# KiCad board PANEL_DRY_ELEC_6CH_THIN.kicad_pcb (continued)
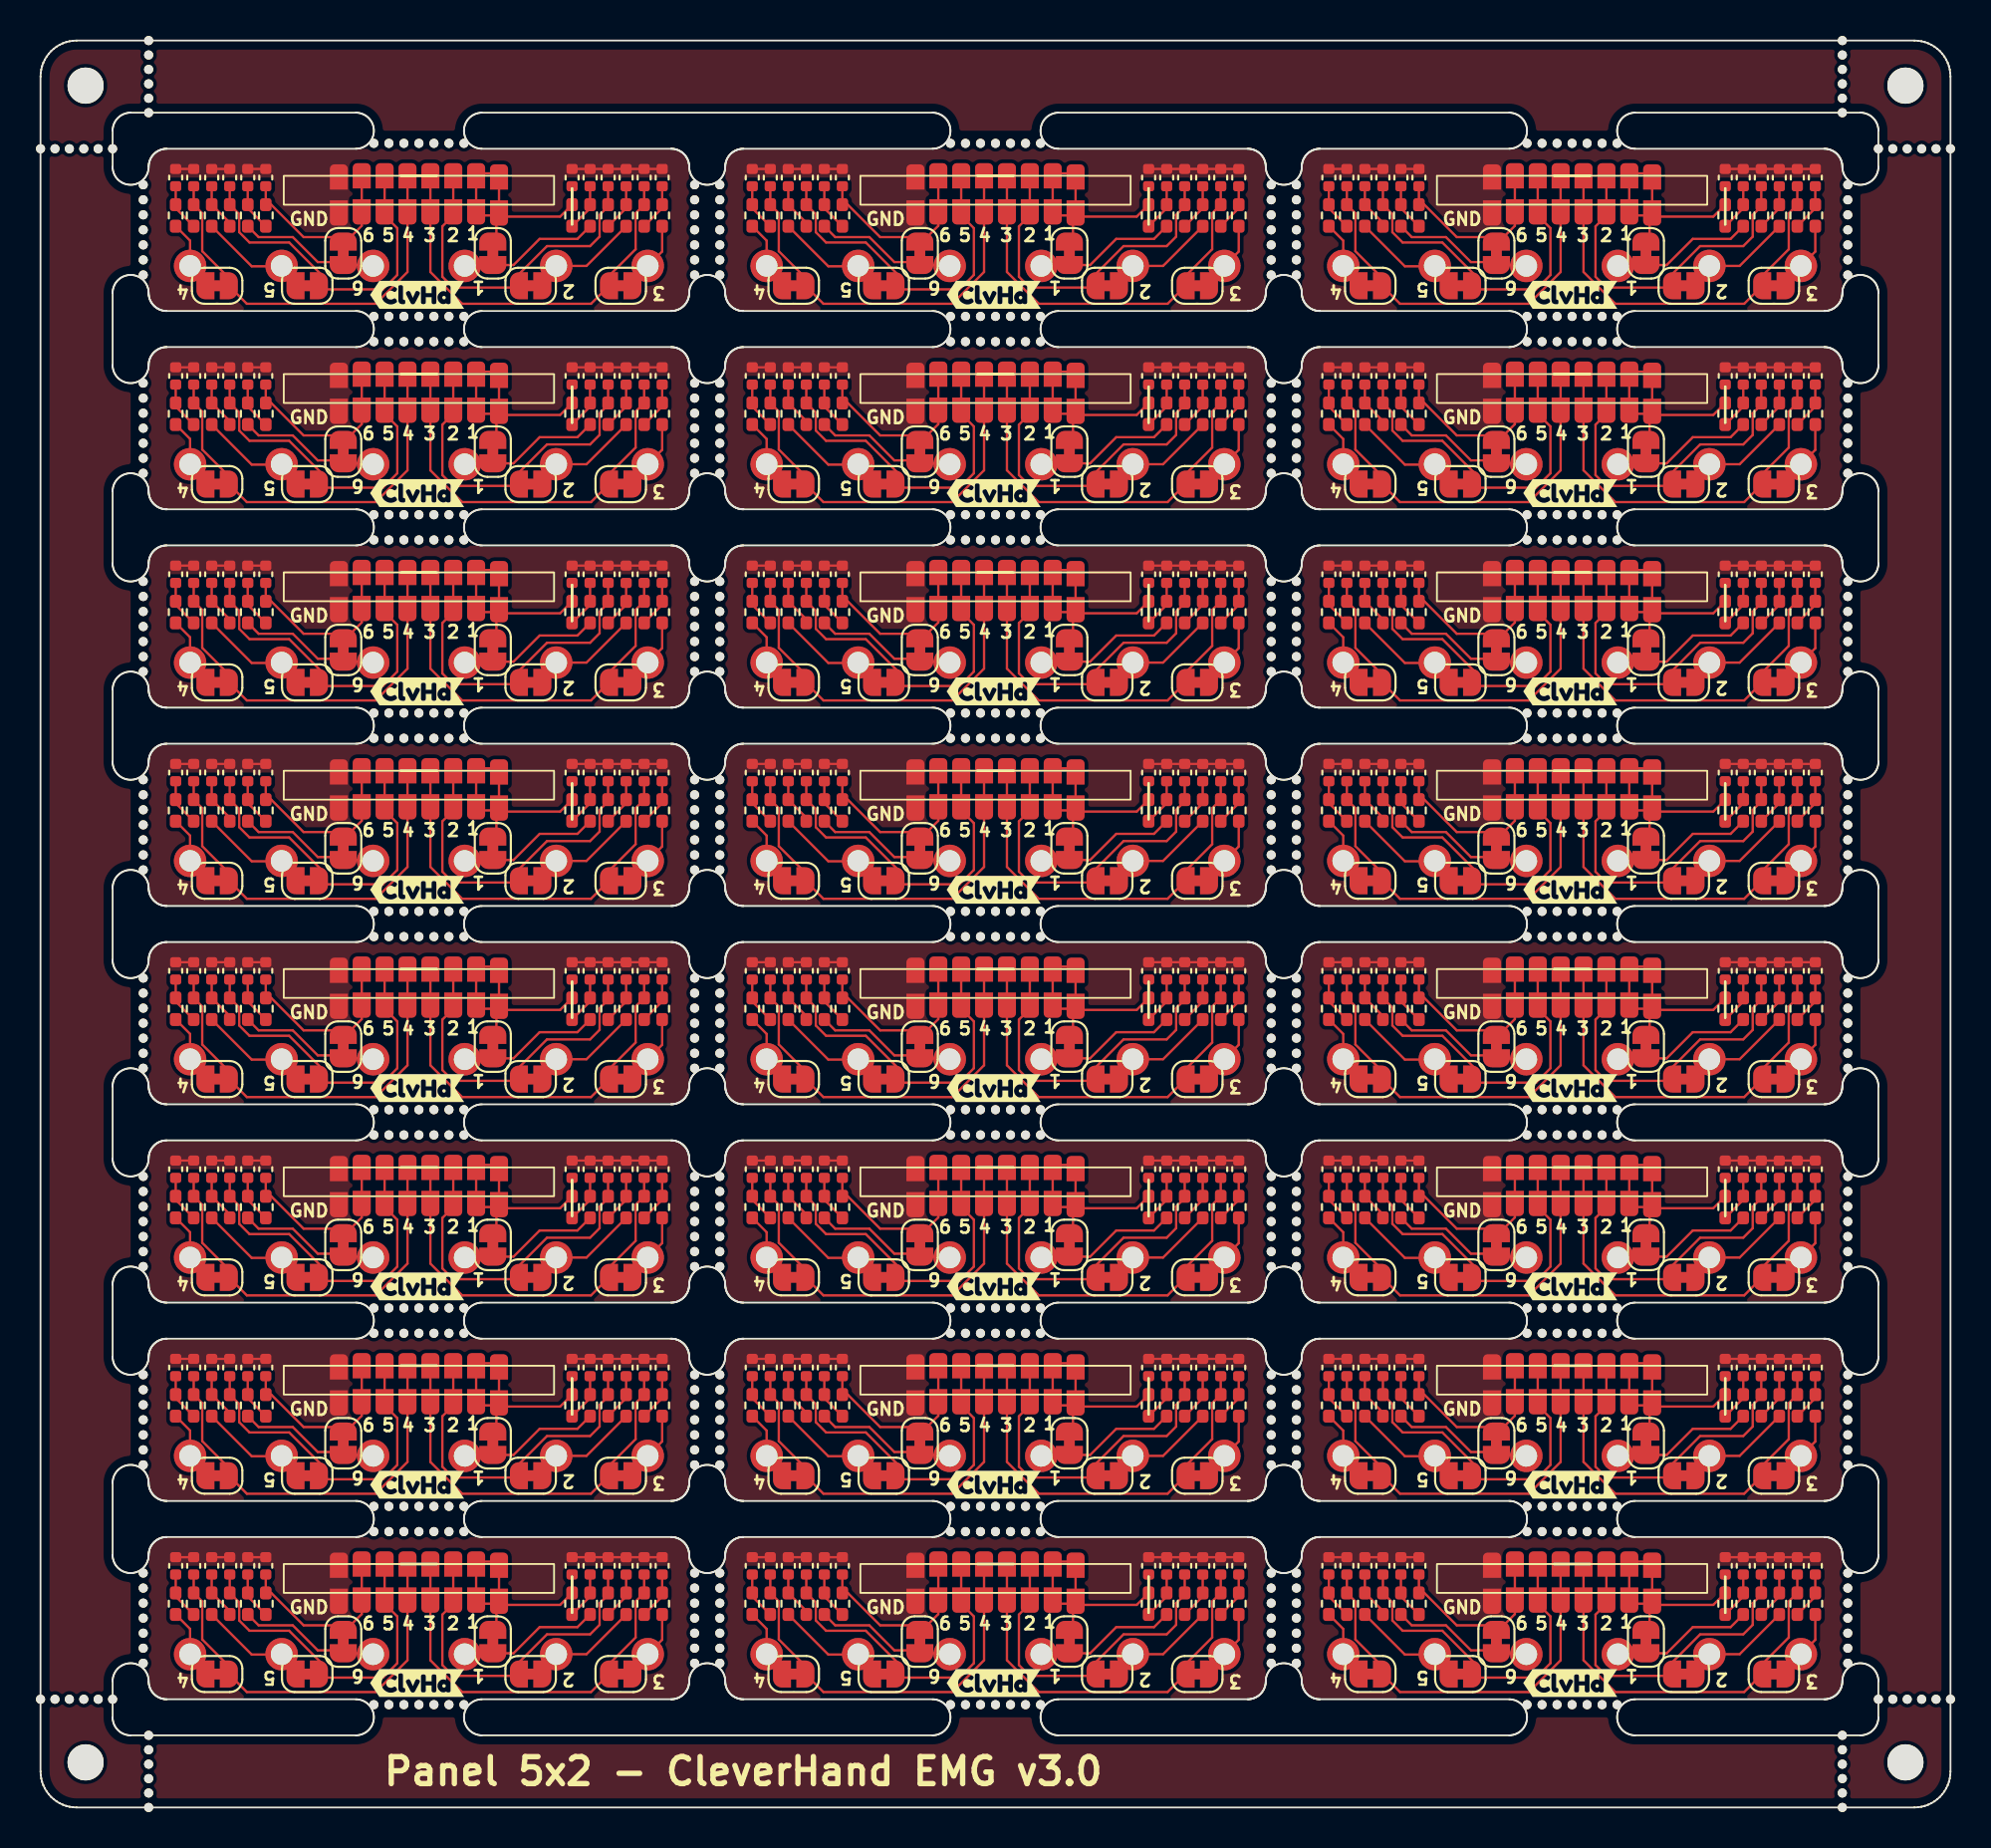
[diagram p0: board, top side]
## Routing (per net, layer and track width the routed paths; a pad name or vN(x,y) marks a point on that pad's centre or on a via; arc(x,y) is an arc through that point) (continued)
Board_0-/IN5: length 19.6
  Top w0.127: C10#10.1 R10#16.2 11.03,88.37 11.03,87.37 11.6,86.8 13.8,86.8 15.75,84.85 15.75,84.2 19,84.2 19.8,85 19.8,87.6 J11#4.1 J3#15.1
Board_0-/IN6: length 10.3
  Top w0.127: J2#3.1 J10#5.1 17.83,87.73 17.2,87.1 14.6,87.1 12.8,88.9 R12#4.2 C12#5.1
Board_0-GND: length 8
  Top w0.127: C2#7.2 C5#3.2 ; C9#23.2 C10#10.2 ; C11#9.2 C12#5.2 ; C7#3.2 C8#7.2
Board_0-Net-(C1-Pad1): length 2.6
  Top w0.127: R2#17.1 30.5,88.7 R1#12.2 C1#14.1
Board_0-Net-(C3-Pad1): length 2.6
  Top w0.127: R4.1 32.5,88.7 R3#18.2 C3#14.1
Board_0-Net-(C5-Pad1): length 2.6
  Top w0.127: R6.1 34.5,88.7 R5#4.2 C5#3.1
Board_0-Net-(C7-Pad1): length 2.6
  Top w0.127: C7#3.1 R7#22.2 7.5,88.7 R8#2.1
Board_0-Net-(C9-Pad1): length 2.6
  Top w0.127: R10#16.1 10.5,87.9 R9#24.2 C9#23.1
Board_0-Net-(C11-Pad1): length 2.6
  Top w0.127: R12#4.1 11.5,88.7 R11#15.2 C11#9.1
Board_1-/filtering_1/ELECTRODE: length 7.9
  Top w0.127: R1#22.1 61.8,87 59.7,87 58.25,85.55 55.59,85.55 J17#11.1
Board_1-/filtering_2/ELECTRODE: length 4.8
  Top w0.127: J18#10.1 62.3,85.5 R3#4.1
Board_1-/filtering_3/ELECTRODE: length 2.5
  Top w0.127: J19#14.1 66.5,86.3 R5#23.1
Board_1-/filtering_4/ELECTRODE: length 4.3
  Top w0.127: 41.65,84.4 41.4,84.4 J20#13.1 40.3,86.9 R7#2.1
Board_1-/filtering_5/ELECTRODE: length 6.4
  Top w0.127: 46.45,84.4 46.45,84.43 J21#19.1 45.38,85.48 43.72,85.48 41.5,87.7 R9#16.1
Board_1-/filtering_6/ELECTRODE: length 7.9
  Top w0.127: J22#3.1 50.41,85.55 48.7,85.55 48.54,85.71 47.39,85.71 46,87.1 44.1,87.1 R11#19.1
Board_1-/IN1: length 14.2
  Top w0.127: J16#23.1 J8.1 56.24,90.64 J7#17.1 J15#10.1 57.38,88.3 J16#23.1 ; J16#23.1 57.3,88.09 57.3,86.85 ; J16#23.1 60.84,88.23 R2#23.2 C2#21.1
Board_1-/IN2: length 19.6
  Top w0.127: C4#20.1 R4#8.2 63.5,88.8 63.03,88.33 63.03,87.13 62.5,86.6 60.11,86.6 58.55,85.04 JP2#18.2 58.45,84.3 54.9,84.3 54.3,84.9 54.3,87.69 J14#12.1 J6#9.1
Board_1-/IN3: length 22.9
  Top w0.127: C6#2.1 R6#2.2 65.03,88.42 65.03,86.43 63.55,84.95 JP3.2 62.55,83.4 55.4,83.4 53.64,85.16 J13#16.1 J5#16.1
Board_1-/IN4: length 22.9
  Top w0.127: J4#19.1 J12#5.1 52.37,85.17 50.6,83.4 43.45,83.4 JP4#22.2 42.45,84.84 40.97,86.32 40.97,88.42 R8#14.2 C8#8.1
Board_1-/IN5: length 19.6
  Top w0.127: C10#2.1 R10#18.2 43.03,88.37 43.03,87.37 43.6,86.8 45.8,86.8 47.75,84.85 47.75,84.2 51,84.2 51.8,85 51.8,87.6 J11#15.1 J3#22.1
Board_1-/IN6: length 10.3
  Top w0.127: C12#2.1 R12#8.2 44.8,88.9 46.6,87.1 49.2,87.1 49.83,87.73 J10#23.1 J2#13.1
Board_1-GND: length 8
  Top w0.127: C11#7.2 C12#2.2 ; C7#20.2 C8#8.2 ; C2#21.2 C5#19.2 ; C9#16.2 C10#2.2
Board_1-Net-(C1-Pad1): length 2.6
  Top w0.127: C1#7.1 R1#22.2 62.5,88.7 R2#23.1
Board_1-Net-(C3-Pad1): length 2.6
  Top w0.127: R4#8.1 64.5,88.7 R3#4.2 C3#7.1
Board_1-Net-(C5-Pad1): length 2.6
  Top w0.127: C5#19.1 R5#23.2 66.5,88.7 R6#2.1
Board_1-Net-(C7-Pad1): length 2.6
  Top w0.127: R8#14.1 39.5,88.7 R7#2.2 C7#20.1
Board_1-Net-(C9-Pad1): length 2.6
  Top w0.127: C9#16.1 R9#16.2 42.5,87.9 R10#18.1
Board_1-Net-(C11-Pad1): length 2.6
  Top w0.127: R12#8.1 43.5,88.7 R11#19.2 C11#7.1
Board_2-/filtering_1/ELECTRODE: length 7.9
  Top w0.127: J17#18.1 87.59,85.55 90.25,85.55 91.7,87 93.8,87 R1.1
Board_2-/filtering_2/ELECTRODE: length 4.8
  Top w0.127: J18#13.1 94.3,85.5 R3#21.1
Board_2-/filtering_3/ELECTRODE: length 2.5
  Top w0.127: R5#8.1 98.5,86.3 J19#18.1
Board_2-/filtering_4/ELECTRODE: length 4.3
  Top w0.127: 73.65,84.4 73.4,84.4 J20#11.1 72.3,86.9 R7#23.1
Board_2-/filtering_5/ELECTRODE: length 6.4
  Top w0.127: 78.45,84.4 78.45,84.43 J21#21.1 77.38,85.48 75.72,85.48 73.5,87.7 R9#10.1
Board_2-/filtering_6/ELECTRODE: length 7.9
  Top w0.127: J22.1 82.41,85.55 80.7,85.55 80.54,85.71 79.39,85.71 78,87.1 76.1,87.1 R11#10.1
Board_2-/IN1: length 14.2
  Top w0.127: 89.3,86.85 89.3,88.09 J16#17.1 ; J16#17.1 89.38,88.3 J15#15.1 J7#22.1 88.24,90.64 J8#13.1 J16#17.1 ; J16#17.1 92.84,88.23 R2#4.2 C2#2.1
Board_2-/IN2: length 19.6
  Top w0.127: C4#4.1 R4#5.2 95.5,88.8 95.03,88.33 95.03,87.13 94.5,86.6 92.11,86.6 90.55,85.04 JP2#5.2 90.45,84.3 86.9,84.3 86.3,84.9 86.3,87.69 J14#17.1 J6#13.1
Board_2-/IN3: length 22.9
  Top w0.127: J5#10.1 J13#12.1 85.64,85.16 87.4,83.4 94.55,83.4 JP3#11.2 95.55,84.95 97.03,86.43 97.03,88.42 R6#16.2 C6#17.1
Board_2-/IN4: length 22.9
  Top w0.127: C8#17.1 R8#11.2 72.97,88.42 72.97,86.32 74.45,84.84 JP4#7.2 75.45,83.4 82.6,83.4 84.37,85.17 J12#16.1 J4#22.1
Board_2-/IN5: length 19.6
  Top w0.127: J3#3.1 J11#10.1 83.8,87.6 83.8,85 83,84.2 79.75,84.2 79.75,84.85 77.8,86.8 75.6,86.8 75.03,87.37 75.03,88.37 R10#9.2 C10#24.1
Board_2-/IN6: length 10.3
  Top w0.127: C12#8.1 R12#19.2 76.8,88.9 78.6,87.1 81.2,87.1 81.83,87.73 J10#13.1 J2#9.1
Board_2-GND: length 8
  Top w0.127: C9#9.2 C10#24.2 ; C7#5.2 C8#17.2 ; C11#24.2 C12#8.2 ; C2#2.2 C5#17.2
Board_2-Net-(C1-Pad1): length 2.6
  Top w0.127: C1#24.1 R1.2 94.5,88.7 R2#4.1
Board_2-Net-(C3-Pad1): length 2.6
  Top w0.127: R4#5.1 96.5,88.7 R3#21.2 C3#19.1
Board_2-Net-(C5-Pad1): length 2.6
  Top w0.127: R6#16.1 98.5,88.7 R5#8.2 C5#17.1
Board_2-Net-(C7-Pad1): length 2.6
  Top w0.127: C7#5.1 R7#23.2 71.5,88.7 R8#11.1
Board_2-Net-(C9-Pad1): length 2.6
  Top w0.127: C9#9.1 R9#10.2 74.5,87.9 R10#9.1
Board_2-Net-(C11-Pad1): length 2.6
  Top w0.127: R12#19.1 75.5,88.7 R11#10.2 C11#24.1
Board_3-/filtering_1/ELECTRODE: length 7.9
  Top w0.127: R1#3.1 29.8,76 27.7,76 26.25,74.55 23.59,74.55 J17#19.1
Board_3-/filtering_2/ELECTRODE: length 4.8
  Top w0.127: J18#6.1 30.3,74.5 R3#12.1
Board_3-/filtering_3/ELECTRODE: length 2.5
  Top w0.127: R5#10.1 34.5,75.3 J19#19.1
Board_3-/filtering_4/ELECTRODE: length 4.3
  Top w0.127: 9.65,73.4 9.4,73.4 J20.1 8.3,75.9 R7#3.1
Board_3-/filtering_5/ELECTRODE: length 6.4
  Top w0.127: 14.45,73.4 14.45,73.43 J21#6.1 13.38,74.48 11.72,74.48 9.5,76.7 R9#4.1
Board_3-/filtering_6/ELECTRODE: length 7.9
  Top w0.127: R11#24.1 12.1,76.1 14,76.1 15.39,74.71 16.54,74.71 16.7,74.55 18.41,74.55 J22#20.1
Board_3-/IN1: length 14.2
  Top w0.127: J16#4.1 28.84,77.23 R2#7.2 C2#16.1 ; J16#4.1 25.38,77.3 J15#16.1 J7#21.1 24.24,79.64 J8#6.1 J16#4.1 ; J16#4.1 25.3,77.09 25.3,75.85
Board_3-/IN2: length 19.6
  Top w0.127: J6#14.1 J14#13.1 22.3,76.69 22.3,73.9 22.9,73.3 26.45,73.3 JP2#22.2 26.55,74.04 28.11,75.6 30.5,75.6 31.03,76.13 31.03,77.33 31.5,77.8 R4#15.2 C4#12.1
Board_3-/IN3: length 22.9
  Top w0.127: C6#20.1 R6#3.2 33.03,77.42 33.03,75.43 31.55,73.95 JP3#20.2 30.55,72.4 23.4,72.4 21.64,74.16 J13#24.1 J5#20.1
Board_3-/IN4: length 22.9
  Top w0.127: C8.1 R8#13.2 8.97,77.42 8.97,75.32 10.45,73.84 JP4#2.2 11.45,72.4 18.6,72.4 20.37,74.17 J12.1 J4#18.1
Board_3-/IN5: length 19.6
  Top w0.127: J3#5.1 J11#7.1 19.8,76.6 19.8,74 19,73.2 15.75,73.2 15.75,73.85 13.8,75.8 11.6,75.8 11.03,76.37 11.03,77.37 R10#14.2 C10#8.1
Board_3-/IN6: length 10.3
  Top w0.127: J2#10.1 J10#21.1 17.83,76.73 17.2,76.1 14.6,76.1 12.8,77.9 R12#10.2 C12#13.1
Board_3-GND: length 8
  Top w0.127: C2#16.2 C5#21.2 ; C11#12.2 C12#13.2 ; C7#6.2 C8.2 ; C9#4.2 C10#8.2
Board_3-Net-(C1-Pad1): length 2.6
  Top w0.127: R2#7.1 30.5,77.7 R1#3.2 C1#15.1
Board_3-Net-(C3-Pad1): length 2.6
  Top w0.127: R4#15.1 32.5,77.7 R3#12.2 C3.1
Board_3-Net-(C5-Pad1): length 2.6
  Top w0.127: C5#21.1 R5#10.2 34.5,77.7 R6#3.1
Board_3-Net-(C7-Pad1): length 2.6
  Top w0.127: C7#6.1 R7#3.2 7.5,77.7 R8#13.1
Board_3-Net-(C9-Pad1): length 2.6
  Top w0.127: C9#4.1 R9#4.2 10.5,76.9 R10#14.1
Board_3-Net-(C11-Pad1): length 2.6
  Top w0.127: R12#10.1 11.5,77.7 R11#24.2 C11#12.1
Board_4-/filtering_1/ELECTRODE: length 7.9
  Top w0.127: R1#10.1 61.8,76 59.7,76 58.25,74.55 55.59,74.55 J17#5.1
Board_4-/filtering_2/ELECTRODE: length 4.8
  Top w0.127: J18#4.1 62.3,74.5 R3#19.1
Board_4-/filtering_3/ELECTRODE: length 2.5
  Top w0.127: J19#7.1 66.5,75.3 R5#2.1
Board_4-/filtering_4/ELECTRODE: length 4.3
  Top w0.127: 41.65,73.4 41.4,73.4 J20#19.1 40.3,75.9 R7#13.1
Board_4-/filtering_5/ELECTRODE: length 6.4
  Top w0.127: 46.45,73.4 46.45,73.43 J21#22.1 45.38,74.48 43.72,74.48 41.5,76.7 R9#3.1
Board_4-/filtering_6/ELECTRODE: length 7.9
  Top w0.127: J22#14.1 50.41,74.55 48.7,74.55 48.54,74.71 47.39,74.71 46,76.1 44.1,76.1 R11#16.1
Board_4-/IN1: length 14.2
  Top w0.127: 57.3,75.85 57.3,77.09 J16#22.1 ; J16#22.1 J8#7.1 56.24,79.64 J7#10.1 J15#24.1 57.38,77.3 J16#22.1 ; J16#22.1 60.84,77.23 R2#20.2 C2#5.1
Board_4-/IN2: length 19.6
  Top w0.127: J6#18.1 J14#11.1 54.3,76.69 54.3,73.9 54.9,73.3 58.45,73.3 JP2.2 58.55,74.04 60.11,75.6 62.5,75.6 63.03,76.13 63.03,77.33 63.5,77.8 R4#19.2 C4#11.1
Board_4-/IN3: length 22.9
  Top w0.127: C6#15.1 R6#23.2 65.03,77.42 65.03,75.43 63.55,73.95 JP3#2.2 62.55,72.4 55.4,72.4 53.64,74.16 J13#7.1 J5#12.1
Board_4-/IN4: length 22.9
  Top w0.127: C8#24.1 R8.2 40.97,77.42 40.97,75.32 42.45,73.84 JP4#18.2 43.45,72.4 50.6,72.4 52.37,74.17 J12#21.1 J4#20.1
Board_4-/IN5: length 19.6
  Top w0.127: J3#20.1 J11#17.1 51.8,76.6 51.8,74 51,73.2 47.75,73.2 47.75,73.85 45.8,75.8 43.6,75.8 43.03,76.37 43.03,77.37 R10#12.2 C10#4.1
Board_4-/IN6: length 10.3
  Top w0.127: J2#4.1 J10#9.1 49.83,76.73 49.2,76.1 46.6,76.1 44.8,77.9 R12#15.2 C12#23.1
Board_4-GND: length 8
  Top w0.127: C2#5.2 C5#7.2 ; C7#2.2 C8#24.2 ; C9#2.2 C10#4.2 ; C11#23.2 C12#23.2
Board_4-Net-(C1-Pad1): length 2.6
  Top w0.127: C1#18.1 R1#10.2 62.5,77.7 R2#20.1
Board_4-Net-(C3-Pad1): length 2.6
  Top w0.127: C3#4.1 R3#19.2 64.5,77.7 R4#19.1
Board_4-Net-(C5-Pad1): length 2.6
  Top w0.127: R6#23.1 66.5,77.7 R5#2.2 C5#7.1
Board_4-Net-(C7-Pad1): length 2.6
  Top w0.127: R8.1 39.5,77.7 R7#13.2 C7#2.1
Board_4-Net-(C9-Pad1): length 2.6
  Top w0.127: R10#12.1 42.5,76.9 R9#3.2 C9#2.1
Board_4-Net-(C11-Pad1): length 2.6
  Top w0.127: R12#15.1 43.5,77.7 R11#16.2 C11#23.1
Board_5-/filtering_1/ELECTRODE: length 7.9
  Top w0.127: R1#9.1 93.8,76 91.7,76 90.25,74.55 87.59,74.55 J17#17.1
Board_5-/filtering_2/ELECTRODE: length 4.8
  Top w0.127: J18#19.1 94.3,74.5 R3.1
Board_5-/filtering_3/ELECTRODE: length 2.5
  Top w0.127: J19#10.1 98.5,75.3 R5#5.1
Board_5-/filtering_4/ELECTRODE: length 4.3
  Top w0.127: 73.65,73.4 73.4,73.4 J20#14.1 72.3,75.9 R7#8.1
Board_5-/filtering_5/ELECTRODE: length 6.4
  Top w0.127: 78.45,73.4 78.45,73.43 J21#5.1 77.38,74.48 75.72,74.48 73.5,76.7 R9#20.1
Board_5-/filtering_6/ELECTRODE: length 7.9
  Top w0.127: J22#24.1 82.41,74.55 80.7,74.55 80.54,74.71 79.39,74.71 78,76.1 76.1,76.1 R11#12.1
Board_5-/IN1: length 14.2
  Top w0.127: J16#20.1 89.3,77.09 89.3,75.85 ; J16#20.1 J8#14.1 88.24,79.64 J7#11.1 J15#11.1 89.38,77.3 J16#20.1 ; J16#20.1 92.84,77.23 R2#15.2 C2#24.1
Board_5-/IN2: length 19.6
  Top w0.127: C4#19.1 R4#24.2 95.5,77.8 95.03,77.33 95.03,76.13 94.5,75.6 92.11,75.6 90.55,74.04 JP2#24.2 90.45,73.3 86.9,73.3 86.3,73.9 86.3,76.69 J14#2.1 J6#21.1
Board_5-/IN3: length 22.9
  Top w0.127: C6#10.1 R6#6.2 97.03,77.42 97.03,75.43 95.55,73.95 JP3#24.2 94.55,72.4 87.4,72.4 85.64,74.16 J13#18.1 J5#11.1
Board_5-/IN4: length 22.9
  Top w0.127: J4#12.1 J12#23.1 84.37,74.17 82.6,72.4 75.45,72.4 JP4#11.2 74.45,73.84 72.97,75.32 72.97,77.42 R8#15.2 C8#2.1
Board_5-/IN5: length 19.6
  Top w0.127: C10#3.1 R10#17.2 75.03,77.37 75.03,76.37 75.6,75.8 77.8,75.8 79.75,73.85 79.75,73.2 83,73.2 83.8,74 83.8,76.6 J11.1 J3#8.1
Board_5-/IN6: length 10.3
  Top w0.127: J2#21.1 J10#10.1 81.83,76.73 81.2,76.1 78.6,76.1 76.8,77.9 R12#7.2 C12#4.1
Board_5-GND: length 8
  Top w0.127: C11#19.2 C12#4.2 ; C2#24.2 C5#4.2 ; C7#21.2 C8#2.2 ; C9#19.2 C10#3.2
Board_5-Net-(C1-Pad1): length 2.6
  Top w0.127: R2#15.1 94.5,77.7 R1#9.2 C1#16.1
Board_5-Net-(C3-Pad1): length 2.6
  Top w0.127: C3#11.1 R3.2 96.5,77.7 R4#24.1
Board_5-Net-(C5-Pad1): length 2.6
  Top w0.127: R6#6.1 98.5,77.7 R5#5.2 C5#4.1
Board_5-Net-(C7-Pad1): length 2.6
  Top w0.127: R8#15.1 71.5,77.7 R7#8.2 C7#21.1
Board_5-Net-(C9-Pad1): length 2.6
  Top w0.127: C9#19.1 R9#20.2 74.5,76.9 R10#17.1
Board_5-Net-(C11-Pad1): length 2.6
  Top w0.127: R12#7.1 75.5,77.7 R11#12.2 C11#19.1
Board_6-/filtering_1/ELECTRODE: length 7.9
  Top w0.127: R1#24.1 29.8,65 27.7,65 26.25,63.55 23.59,63.55 J17#6.1
Board_6-/filtering_2/ELECTRODE: length 4.8
  Top w0.127: J18#14.1 30.3,63.5 R3#17.1
Board_6-/filtering_3/ELECTRODE: length 2.5
  Top w0.127: R5#17.1 34.5,64.3 J19#12.1
Board_6-/filtering_4/ELECTRODE: length 4.3
  Top w0.127: 9.65,62.4 9.4,62.4 J20#3.1 8.3,64.9 R7#18.1
Board_6-/filtering_5/ELECTRODE: length 6.4
  Top w0.127: 14.45,62.4 14.45,62.43 J21#10.1 13.38,63.48 11.72,63.48 9.5,65.7 R9#17.1
Board_6-/filtering_6/ELECTRODE: length 7.9
  Top w0.127: R11#18.1 12.1,65.1 14,65.1 15.39,63.71 16.54,63.71 16.7,63.55 18.41,63.55 J22#5.1
Board_6-/IN1: length 14.2
  Top w0.127: J16#14.1 J8#20.1 24.24,68.64 J7#24.1 J15#18.1 25.38,66.3 J16#14.1 ; J16#14.1 25.3,66.09 25.3,64.85 ; J16#14.1 28.84,66.23 R2#3.2 C2#3.1
Board_6-/IN2: length 19.6
  Top w0.127: J6#7.1 J14#5.1 22.3,65.69 22.3,62.9 22.9,62.3 26.45,62.3 JP2#15.2 26.55,63.04 28.11,64.6 30.5,64.6 31.03,65.13 31.03,66.33 31.5,66.8 R4#23.2 C4#23.1
Board_6-/IN3: length 22.9
  Top w0.127: C6#8.1 R6#7.2 33.03,66.42 33.03,64.43 31.55,62.95 JP3#23.2 30.55,61.4 23.4,61.4 21.64,63.16 J13#6.1 J5#18.1
Board_6-/IN4: length 22.9
  Top w0.127: J4#23.1 J12#13.1 20.37,63.17 18.6,61.4 11.45,61.4 JP4#5.2 10.45,62.84 8.97,64.32 8.97,66.42 R8#5.2 C8#23.1
Board_6-/IN5: length 19.6
  Top w0.127: C10#17.1 R10#6.2 11.03,66.37 11.03,65.37 11.6,64.8 13.8,64.8 15.75,62.85 15.75,62.2 19,62.2 19.8,63 19.8,65.6 J11#21.1 J3#6.1
Board_6-/IN6: length 10.3
  Top w0.127: J2#11.1 J10#7.1 17.83,65.73 17.2,65.1 14.6,65.1 12.8,66.9 R12.2 C12#7.1
Board_6-GND: length 8
  Top w0.127: C9#17.2 C10#17.2 ; C2#3.2 C5#20.2 ; C11#17.2 C12#7.2 ; C7#9.2 C8#23.2
Board_6-Net-(C1-Pad1): length 2.6
  Top w0.127: R2#3.1 30.5,66.7 R1#24.2 C1#2.1
Board_6-Net-(C3-Pad1): length 2.6
  Top w0.127: C3#13.1 R3#17.2 32.5,66.7 R4#23.1
Board_6-Net-(C5-Pad1): length 2.6
  Top w0.127: C5#20.1 R5#17.2 34.5,66.7 R6#7.1
Board_6-Net-(C7-Pad1): length 2.6
  Top w0.127: R8#5.1 7.5,66.7 R7#18.2 C7#9.1
Board_6-Net-(C9-Pad1): length 2.6
  Top w0.127: R10#6.1 10.5,65.9 R9#17.2 C9#17.1
Board_6-Net-(C11-Pad1): length 2.6
  Top w0.127: R12.1 11.5,66.7 R11#18.2 C11#17.1
Board_7-/filtering_1/ELECTRODE: length 7.9
  Top w0.127: R1#7.1 61.8,65 59.7,65 58.25,63.55 55.59,63.55 J17#3.1
Board_7-/filtering_2/ELECTRODE: length 4.8
  Top w0.127: R3#22.1 62.3,63.5 J18#9.1
Board_7-/filtering_3/ELECTRODE: length 2.5
  Top w0.127: R5#18.1 66.5,64.3 J19#15.1
Board_7-/filtering_4/ELECTRODE: length 4.3
  Top w0.127: 41.65,62.4 41.4,62.4 J20#4.1 40.3,64.9 R7#6.1
Board_7-/filtering_5/ELECTRODE: length 6.4
  Top w0.127: R9#12.1 41.5,65.7 43.72,63.48 45.38,63.48 J21#3.1 46.45,62.43 46.45,62.4
Board_7-/filtering_6/ELECTRODE: length 7.9
  Top w0.127: R11#22.1 44.1,65.1 46,65.1 47.39,63.71 48.54,63.71 48.7,63.55 50.41,63.55 J22#11.1
Board_7-/IN1: length 14.2
  Top w0.127: J16#16.1 J8#22.1 56.24,68.64 J7#7.1 J15.1 57.38,66.3 J16#16.1 ; J16#16.1 57.3,66.09 57.3,64.85 ; J16#16.1 60.84,66.23 R2#21.2 C2#18.1
Board_7-/IN2: length 19.6
  Top w0.127: J6#24.1 J14#10.1 54.3,65.69 54.3,62.9 54.9,62.3 58.45,62.3 JP2#3.2 58.55,63.04 60.11,64.6 62.5,64.6 63.03,65.13 63.03,66.33 63.5,66.8 R4#7.2 C4#5.1
Board_7-/IN3: length 22.9
  Top w0.127: C6#14.1 R6#4.2 65.03,66.42 65.03,64.43 63.55,62.95 JP3#13.2 62.55,61.4 55.4,61.4 53.64,63.16 J13#3.1 J5#14.1
Board_7-/IN4: length 22.9
  Top w0.127: J4#4.1 J12#9.1 52.37,63.17 50.6,61.4 43.45,61.4 JP4#13.2 42.45,62.84 40.97,64.32 40.97,66.42 R8#17.2 C8#21.1
Board_7-/IN5: length 19.6
  Top w0.127: J3#13.1 J11#19.1 51.8,65.6 51.8,63 51,62.2 47.75,62.2 47.75,62.85 45.8,64.8 43.6,64.8 43.03,65.37 43.03,66.37 R10#19.2 C10#6.1
Board_7-/IN6: length 10.3
  Top w0.127: C12#14.1 R12#5.2 44.8,66.9 46.6,65.1 49.2,65.1 49.83,65.73 J10#6.1 J2#16.1
Board_7-GND: length 8
  Top w0.127: C9#11.2 C10#6.2 ; C11#6.2 C12#14.2 ; C7#18.2 C8#21.2 ; C2#18.2 C5#9.2
Board_7-Net-(C1-Pad1): length 2.6
  Top w0.127: R2#21.1 62.5,66.7 R1#7.2 C1#3.1
Board_7-Net-(C3-Pad1): length 2.6
  Top w0.127: R4#7.1 64.5,66.7 R3#22.2 C3#2.1
Board_7-Net-(C5-Pad1): length 2.6
  Top w0.127: R6#4.1 66.5,66.7 R5#18.2 C5#9.1
Board_7-Net-(C7-Pad1): length 2.6
  Top w0.127: R8#17.1 39.5,66.7 R7#6.2 C7#18.1
Board_7-Net-(C9-Pad1): length 2.6
  Top w0.127: C9#11.1 R9#12.2 42.5,65.9 R10#19.1
Board_7-Net-(C11-Pad1): length 2.6
  Top w0.127: R12#5.1 43.5,66.7 R11#22.2 C11#6.1
Board_8-/filtering_1/ELECTRODE: length 7.9
  Top w0.127: R1#8.1 93.8,65 91.7,65 90.25,63.55 87.59,63.55 J17#2.1
Board_8-/filtering_2/ELECTRODE: length 4.8
  Top w0.127: J18#12.1 94.3,63.5 R3#20.1
Board_8-/filtering_3/ELECTRODE: length 2.5
  Top w0.127: J19#11.1 98.5,64.3 R5#15.1
Board_8-/filtering_4/ELECTRODE: length 4.3
  Top w0.127: R7#4.1 72.3,64.9 J20#2.1 73.4,62.4 73.65,62.4
Board_8-/filtering_5/ELECTRODE: length 6.4
  Top w0.127: 78.45,62.4 78.45,62.43 J21#23.1 77.38,63.48 75.72,63.48 73.5,65.7 R9.1
Board_8-/filtering_6/ELECTRODE: length 7.9
  Top w0.127: J22#21.1 82.41,63.55 80.7,63.55 80.54,63.71 79.39,63.71 78,65.1 76.1,65.1 R11#14.1
Board_8-/IN1: length 14.2
  Top w0.127: J16#3.1 92.84,66.23 R2#16.2 C2#19.1 ; J16#3.1 89.3,66.09 89.3,64.85 ; J16#3.1 J8#18.1 88.24,68.64 J7#5.1 J15#2.1 89.38,66.3 J16#3.1
Board_8-/IN2: length 19.6
  Top w0.127: J6#2.1 J14#3.1 86.3,65.69 86.3,62.9 86.9,62.3 90.45,62.3 JP2#21.2 90.55,63.04 92.11,64.6 94.5,64.6 95.03,65.13 95.03,66.33 95.5,66.8 R4#6.2 C4#17.1
Board_8-/IN3: length 22.9
  Top w0.127: C6#6.1 R6#17.2 97.03,66.42 97.03,64.43 95.55,62.95 JP3#7.2 94.55,61.4 87.4,61.4 85.64,63.16 J13#22.1 J5#3.1
Board_8-/IN4: length 22.9
  Top w0.127: C8#19.1 R8#3.2 72.97,66.42 72.97,64.32 74.45,62.84 JP4#12.2 75.45,61.4 82.6,61.4 84.37,63.17 J12#10.1 J4#9.1
Board_8-/IN5: length 19.6
  Top w0.127: C10#20.1 R10#11.2 75.03,66.37 75.03,65.37 75.6,64.8 77.8,64.8 79.75,62.85 79.75,62.2 83,62.2 83.8,63 83.8,65.6 J11#11.1 J3#11.1
Board_8-/IN6: length 10.3
  Top w0.127: J2#18.1 J10#4.1 81.83,65.73 81.2,65.1 78.6,65.1 76.8,66.9 R12#11.2 C12#21.1
Board_8-GND: length 8
  Top w0.127: C11#16.2 C12#21.2 ; C9#14.2 C10#20.2 ; C7#8.2 C8#19.2 ; C2#19.2 C5.2
Board_8-Net-(C1-Pad1): length 2.6
  Top w0.127: R2#16.1 94.5,66.7 R1#8.2 C1#5.1
Board_8-Net-(C3-Pad1): length 2.6
  Top w0.127: C3#5.1 R3#20.2 96.5,66.7 R4#6.1
Board_8-Net-(C5-Pad1): length 2.6
  Top w0.127: R6#17.1 98.5,66.7 R5#15.2 C5.1
Board_8-Net-(C7-Pad1): length 2.6
  Top w0.127: C7#8.1 R7#4.2 71.5,66.7 R8#3.1
Board_8-Net-(C9-Pad1): length 2.6
  Top w0.127: C9#14.1 R9.2 74.5,65.9 R10#11.1
Board_8-Net-(C11-Pad1): length 2.6
  Top w0.127: C11#16.1 R11#14.2 75.5,66.7 R12#11.1
Board_9-/filtering_1/ELECTRODE: length 7.9
  Top w0.127: R1#16.1 29.8,54 27.7,54 26.25,52.55 23.59,52.55 J17#4.1
Board_9-/filtering_2/ELECTRODE: length 4.8
  Top w0.127: J18#3.1 30.3,52.5 R3#11.1
Board_9-/filtering_3/ELECTRODE: length 2.5
  Top w0.127: R5#22.1 34.5,53.3 J19#4.1
Board_9-/filtering_4/ELECTRODE: length 4.3
  Top w0.127: R7#14.1 8.3,53.9 J20#16.1 9.4,51.4 9.65,51.4
Board_9-/filtering_5/ELECTRODE: length 6.4
  Top w0.127: 14.45,51.4 14.45,51.43 J21#18.1 13.38,52.48 11.72,52.48 9.5,54.7 R9#9.1
Board_9-/filtering_6/ELECTRODE: length 7.9
  Top w0.127: J22#7.1 18.41,52.55 16.7,52.55 16.54,52.71 15.39,52.71 14,54.1 12.1,54.1 R11#20.1
Board_9-/IN1: length 14.2
  Top w0.127: J16#10.1 25.38,55.3 J15#9.1 J7#2.1 24.24,57.63 J8#16.1 J16#10.1 ; J16#10.1 25.3,55.09 25.3,53.85 ; J16#10.1 28.84,55.23 R2#13.2 C2.1
Board_9-/IN2: length 19.6
  Top w0.127: C4#8.1 R4#3.2 31.5,55.8 31.03,55.33 31.03,54.13 30.5,53.6 28.11,53.6 26.55,52.04 JP2#12.2 26.45,51.3 22.9,51.3 22.3,51.9 22.3,54.69 J14#20.1 J6#6.1
Board_9-/IN3: length 22.9
  Top w0.127: C6#19.1 R6#24.2 33.03,55.42 33.03,53.43 31.55,51.95 JP3#21.2 30.55,50.4 23.4,50.4 21.64,52.16 J13#5.1 J5#24.1
Board_9-/IN4: length 22.9
  Top w0.127: C8#20.1 R8#22.2 8.97,55.42 8.97,53.32 10.45,51.84 JP4#23.2 11.45,50.4 18.6,50.4 20.37,52.17 J12#3.1 J4#7.1
Board_9-/IN5: length 19.6
  Top w0.127: J3#23.1 J11#8.1 19.8,54.6 19.8,52 19,51.2 15.75,51.2 15.75,51.85 13.8,53.8 11.6,53.8 11.03,54.37 11.03,55.37 R10#10.2 C10#12.1
Board_9-/IN6: length 10.3
  Top w0.127: J2#12.1 J10#18.1 17.83,54.73 17.2,54.1 14.6,54.1 12.8,55.9 R12#13.2 C12#11.1
Board_9-GND: length 8
  Top w0.127: C2.2 C5#8.2 ; C9#8.2 C10#12.2 ; C7#16.2 C8#20.2 ; C11#22.2 C12#11.2
Board_9-Net-(C1-Pad1): length 2.6
  Top w0.127: C1#8.1 R1#16.2 30.5,55.7 R2#13.1
Board_9-Net-(C3-Pad1): length 2.6
  Top w0.127: C3#8.1 32.5,55.7 R4#3.1
Board_9-Net-(C5-Pad1): length 2.6
  Top w0.127: R6#24.1 34.5,55.7 R5#22.2 C5#8.1
Board_9-Net-(C7-Pad1): length 2.6
  Top w0.127: R8#22.1 7.5,55.7 R7#14.2 C7#16.1
Board_9-Net-(C9-Pad1): length 2.6
  Top w0.127: C9#8.1 R9#9.2 10.5,54.9 R10#10.1
Board_9-Net-(C11-Pad1): length 2.6
  Top w0.127: C11#22.1 R11#20.2 11.5,55.7 R12#13.1
Board_10-/filtering_1/ELECTRODE: length 7.9
  Top w0.127: J17#7.1 55.59,52.55 58.25,52.55 59.7,54 61.8,54 R1#13.1
Board_10-/filtering_2/ELECTRODE: length 4.8
  Top w0.127: J18#17.1 62.3,52.5 R3#10.1
Board_10-/filtering_3/ELECTRODE: length 2.5
  Top w0.127: J19#21.1 66.5,53.3 R5#13.1
Board_10-/filtering_4/ELECTRODE: length 4.3
  Top w0.127: R7#21.1 40.3,53.9 J20#9.1 41.4,51.4 41.65,51.4
Board_10-/filtering_5/ELECTRODE: length 6.4
  Top w0.127: R9#6.1 41.5,54.7 43.72,52.48 45.38,52.48 J21#17.1 46.45,51.43 46.45,51.4
Board_10-/filtering_6/ELECTRODE: length 7.9
  Top w0.127: R11#11.1 44.1,54.1 46,54.1 47.39,52.71 48.54,52.71 48.7,52.55 50.41,52.55 J22#13.1
Board_10-/IN1: length 14.2
  Top w0.127: J16#18.1 57.38,55.3 J15#19.1 J7#13.1 56.24,57.63 J8#11.1 J16#18.1 ; J16#18.1 57.3,55.09 57.3,53.85 ; J16#18.1 60.84,55.23 R2#18.2 C2#9.1
Board_10-/IN2: length 19.6
  Top w0.127: C4#14.1 R4#20.2 63.5,55.8 63.03,55.33 63.03,54.13 62.5,53.6 60.11,53.6 58.55,52.04 JP2#10.2 58.45,51.3 54.9,51.3 54.3,51.9 54.3,54.69 J14#6.1 J6#5.1
Board_10-/IN3: length 22.9
  Top w0.127: C6#7.1 R6#20.2 65.03,55.42 65.03,53.43 63.55,51.95 JP3#22.2 62.55,50.4 55.4,50.4 53.64,52.16 J13#21.1 J5#5.1
Board_10-/IN4: length 22.9
  Top w0.127: J4#13.1 J12#12.1 52.37,52.17 50.6,50.4 43.45,50.4 JP4#20.2 42.45,51.84 40.97,53.32 40.97,55.42 R8#21.2 C8#13.1
Board_10-/IN5: length 19.6
  Top w0.127: J3#7.1 J11#14.1 51.8,54.6 51.8,52 51,51.2 47.75,51.2 47.75,51.85 45.8,53.8 43.6,53.8 43.03,54.37 43.03,55.37 R10#7.2 C10#13.1
Board_10-/IN6: length 10.3
  Top w0.127: C12#16.1 R12#6.2 44.8,55.9 46.6,54.1 49.2,54.1 49.83,54.73 J10#19.1 J2#22.1
Board_10-GND: length 8
  Top w0.127: C9#3.2 C10#13.2 ; C11#11.2 C12#16.2 ; C2#9.2 C5#12.2 ; C7#4.2 C8#13.2
Board_10-Net-(C1-Pad1): length 2.6
  Top w0.127: C1#4.1 R1#13.2 62.5,55.7 R2#18.1
Board_10-Net-(C3-Pad1): length 2.6
  Top w0.127: C3#3.1 64.5,55.7 R4#20.1
Board_10-Net-(C5-Pad1): length 2.6
  Top w0.127: R6#20.1 66.5,55.7 R5#13.2 C5#12.1
Board_10-Net-(C7-Pad1): length 2.6
  Top w0.127: R8#21.1 39.5,55.7 R7#21.2 C7#4.1
Board_10-Net-(C9-Pad1): length 2.6
  Top w0.127: R10#7.1 42.5,54.9 R9#6.2 C9#3.1
Board_10-Net-(C11-Pad1): length 2.6
  Top w0.127: R12#6.1 43.5,55.7 R11#11.2 C11#11.1
Board_11-/filtering_1/ELECTRODE: length 7.9
  Top w0.127: R1#20.1 93.8,54 91.7,54 90.25,52.55 87.59,52.55 J17#10.1
Board_11-/filtering_2/ELECTRODE: length 4.8
  Top w0.127: R3#2.1 94.3,52.5 J18#22.1
Board_11-/filtering_3/ELECTRODE: length 2.5
  Top w0.127: R5#9.1 98.5,53.3 J19#22.1
Board_11-/filtering_4/ELECTRODE: length 4.3
  Top w0.127: R7#20.1 72.3,53.9 J20#10.1 73.4,51.4 73.65,51.4
Board_11-/filtering_5/ELECTRODE: length 6.4
  Top w0.127: R9#13.1 73.5,54.7 75.72,52.48 77.38,52.48 J21#15.1 78.45,51.43 78.45,51.4
Board_11-/filtering_6/ELECTRODE: length 7.9
  Top w0.127: J22#8.1 82.41,52.55 80.7,52.55 80.54,52.71 79.39,52.71 78,54.1 76.1,54.1 R11#3.1
Board_11-/IN1: length 14.2
  Top w0.127: J16#2.1 92.84,55.23 R2#9.2 C2#23.1 ; J16#2.1 89.3,55.09 89.3,53.85 ; J16#2.1 89.38,55.3 J15#20.1 J7#18.1 88.24,57.63 J8#19.1 J16#2.1
Board_11-/IN2: length 19.6
  Top w0.127: C4#22.1 R4#2.2 95.5,55.8 95.03,55.33 95.03,54.13 94.5,53.6 92.11,53.6 90.55,52.04 JP2#2.2 90.45,51.3 86.9,51.3 86.3,51.9 86.3,54.69 J14#19.1 J6#20.1
Board_11-/IN3: length 22.9
  Top w0.127: C6#16.1 R6#5.2 97.03,55.42 97.03,53.43 95.55,51.95 JP3#4.2 94.55,50.4 87.4,50.4 85.64,52.16 J13#10.1 J5#2.1
Board_11-/IN4: length 22.9
  Top w0.127: J4#6.1 J12#14.1 84.37,52.17 82.6,50.4 75.45,50.4 JP4.2 74.45,51.84 72.97,53.32 72.97,55.42 R8#23.2 C8#4.1
Board_11-/IN5: length 19.6
  Top w0.127: C10.1 R10#20.2 75.03,55.37 75.03,54.37 75.6,53.8 77.8,53.8 79.75,51.85 79.75,51.2 83,51.2 83.8,52 83.8,54.6 J11#23.1 J3#17.1
Board_11-/IN6: length 10.3
  Top w0.127: C12#18.1 R12#21.2 76.8,55.9 78.6,54.1 81.2,54.1 81.83,54.73 J10#17.1 J2#17.1
Board_11-GND: length 8
  Top w0.127: C9.2 C10.2 ; C7#13.2 C8#4.2 ; C2#23.2 C5#18.2 ; C11#21.2 C12#18.2
Board_11-Net-(C1-Pad1): length 2.6
  Top w0.127: C1.1 R1#20.2 94.5,55.7 R2#9.1
Board_11-Net-(C3-Pad1): length 2.6
  Top w0.127: C3#9.1 96.5,55.7 R4#2.1
Board_11-Net-(C5-Pad1): length 2.6
  Top w0.127: C5#18.1 R5#9.2 98.5,55.7 R6#5.1
Board_11-Net-(C7-Pad1): length 2.6
  Top w0.127: R8#23.1 71.5,55.7 R7#20.2 C7#13.1